# Altium PCB LimeSDR-QPCIe_1v2.PcbDoc (part 10 of 21) (continued)
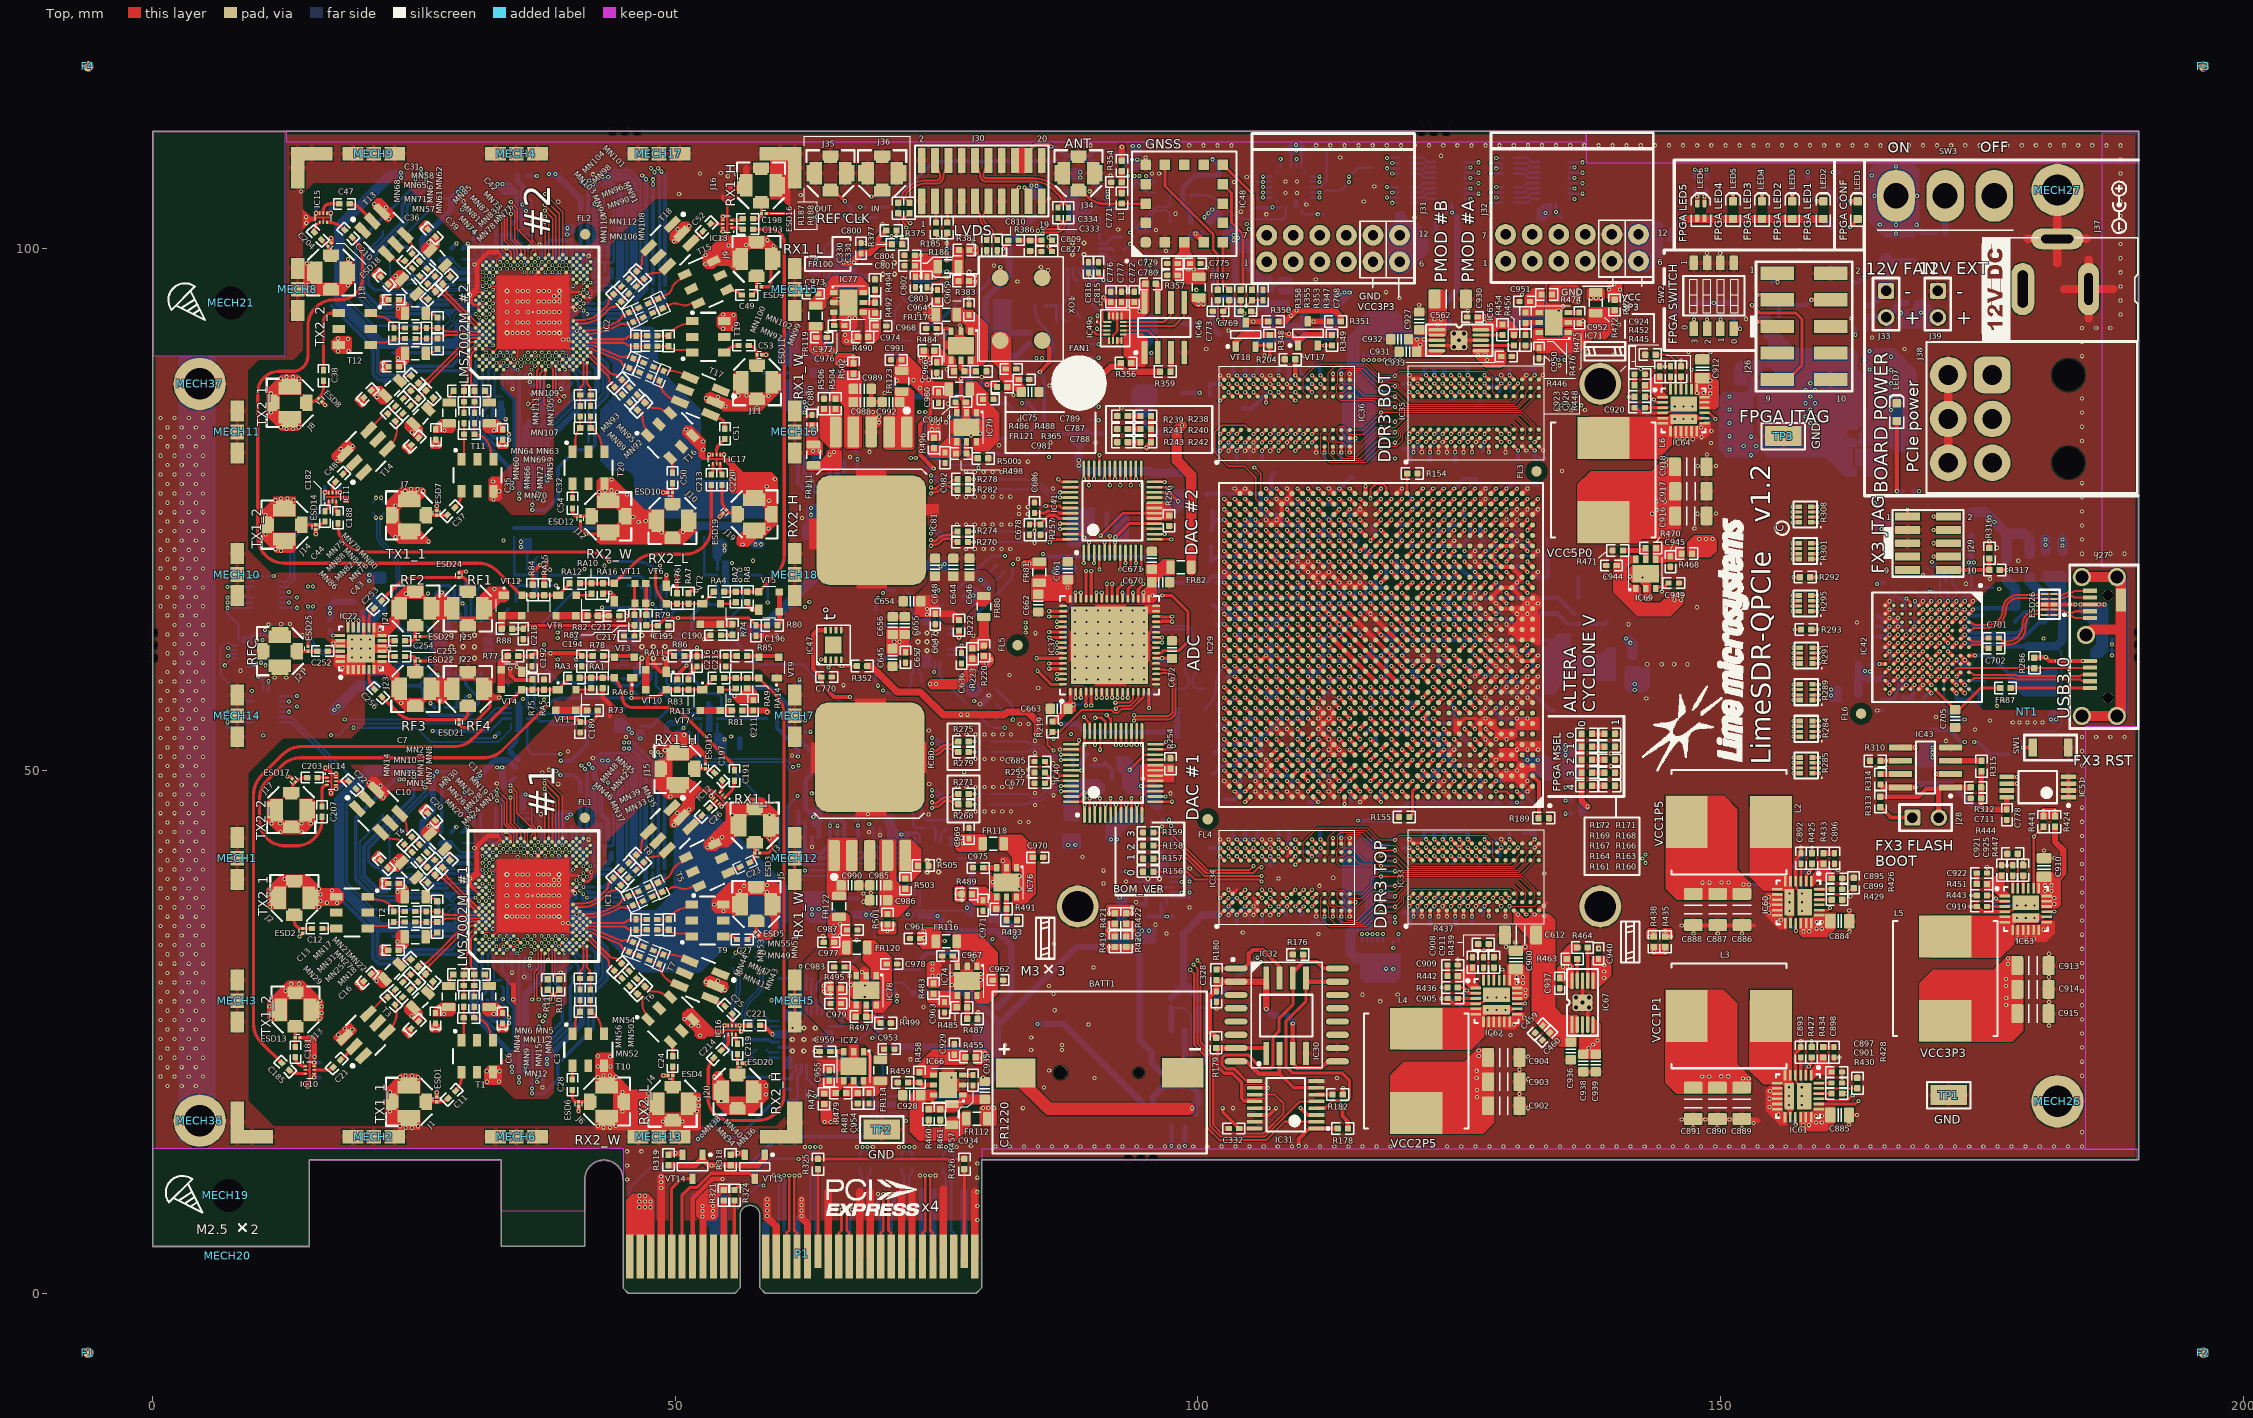
[diagram p0: Top view]
## Nets (pads, with @x,y where several pads share a name; then routed paths per layer and width w, separated by ;. In a path a pad name is that pad's centre, name@x,y a point inside that pad or via, vN(x,y) a via of type N, cw(c..) or ccw(c..) an arc to the next point about the centre after c; other vN are vias at no path point) (continued)
FX3_DQ0: IC29.U12 R284.2 | length 42.7
  Top w0.3: v1(157,53.25) R284.2@157.6,53.25
  Top w0.4: v2(120.525,64) IC29.U12@121.025,63.5
  L3 w0.1: v2(120.525,64) 121.175,63.35 123.68,63.35 124.67,63.35 125.37,62.65 127.025,62.65 127.325,62.35 134.95,62.35 135.3,62 135.85,62 136.2,62.35 137.475,62.35 137.65,62.175 138.175,62.175 138.35,62.35 139.1,62.35 147.95,53.5 156.75,53.5 v1(157,53.25)
FX3_DQ1: IC29.U11 R284.4 | length 42.6
  Top w0.3: v1(157,53.75) R284.4@157.6,53.75
  Top w0.4: v2(121.525,64) IC29.U11@122.025,63.5
  L3 w0.1: v2(121.525,64) 121.875,63.65 124.925,63.65 125.175,63.4 126.625,63.4 127.475,62.55 139.183,62.55 147.983,53.75 148.95,53.75 ccw(c148.95,54.054) 149.254,54.054 149.254,54.451 cw(c149.558,54.451) 149.558,54.755 cw(c149.558,54.451) 149.862,54.451 149.862,53.938 ccw(c150.05,53.938) 150.05,53.75 v1(157,53.75)
FX3_DQ2: IC29.U8 R284.6 | length 42.6
  Top w0.3: v1(157,54.25) R284.6@157.6,54.25
  Top w0.4: v2(124.525,64) IC29.U8@125.025,63.5
  L3 w0.1: v2(124.525,64) 124.975,64 125.35,63.625 128.1,63.625 128.35,63.375 139.158,63.375 146.575,55.958 148.525,55.958 cw(c148.525,55.654) 148.829,55.654 148.829,55.525 ccw(c149.133,55.525) 149.133,55.221 ccw(c149.133,55.525) 149.437,55.525 149.437,55.958 149.437,56.39 cw(c149.741,56.39) 149.741,56.694 cw(c149.741,56.39) 150.045,56.39 150.045,55.958 150.045,55.525 ccw(c150.349,55.525) 150.349,55.221 ccw(c150.349,55.525) 150.653,55.525 150.653,55.654 cw(c150.957,55.654) 150.957,55.958 151.25,55.958 151.692,55.958 153.1,54.55 153.35,54.55 154.101,54.55 cw(c154.101,54.254) 154.397,54.254 ccw(c154.701,54.254) 154.701,53.95 ccw(c154.701,54.254) 155.005,54.254 cw(c155.301,54.254) 155.301,54.55 155.317,54.55 cw(c155.317,54.254) 155.613,54.254 ccw(c155.917,54.254) 155.917,53.95 ccw(c155.917,54.254) 156.221,54.254 cw(c156.517,54.254) 156.517,54.55 156.525,54.55 156.7,54.55 v1(157,54.25)
FX3_DQ3: IC29.U9 R284.8 | length 43.1
  Top w0.3: v1(157,54.75) R284.8@157.6,54.75
  Top w0.4: v2(123.525,64) IC29.U9@124.025,63.5
  L3 w0.1: v2(123.525,64) 123.875,64.35 127.675,64.35 128.45,63.575 140.8,63.575 141.693,63.575 cw(c141.693,63.271) 141.997,63.271 141.997,62.571 ccw(c142.301,62.571) 142.301,62.267 ccw(c142.301,62.571) 142.605,62.571 142.605,63.271 cw(c142.909,63.271) 142.909,63.575 cw(c142.909,63.271) 143.213,63.271 143.213,62.571 ccw(c143.517,62.571) 143.517,62.267 ccw(c143.517,62.571) 143.821,62.571 143.821,63.271 cw(c144.125,63.271) 144.125,63.575 144.358,63.575 153.183,54.75 v1(157,54.75)
FX3_DQ4: IC29.T11 R285.2 | length 42.6
  Top w0.3: v1(157,49.75) R285.2@157.6,49.75
  Top w0.4: v2(121.525,63) IC29.T11@122.025,62.5
  L3 w0.1: v2(121.525,63) 121.525,62.495 122.37,61.65 124.717,61.65 125.196,61.171 125.829,61.171 126.35,60.65 127.075,60.65 127.3,60.425 132.595,60.425 133.627,59.393 138.073,59.393 147.116,50.35 156.4,50.35 v1(157,49.75)
FX3_DQ5: IC29.R10 R285.4 | length 42.9
  Top w0.3: v1(157,50.25) R285.4@157.6,50.25
  Top w0.4: v2(122.525,62) IC29.R10@123.025,61.5
  L3 w0.1: v2(122.525,62) 122.975,62.45 123.884,62.45 124.284,62.05 124.642,62.05 125.242,61.45 126.575,61.45 127.4,60.625 132.1,60.625 133.259,60.625 cw(c133.259,60.321) 133.563,60.321 133.563,59.913 ccw(c133.867,59.913) 133.867,59.609 ccw(c133.867,59.913) 134.171,59.913 134.171,60.321 cw(c134.475,60.321) 134.475,60.625 135.5,60.625 135.625,60.5 135.625,59.875 135.907,59.593 138.156,59.593 147.199,50.55 156.483,50.55 156.783,50.25 v1(157,50.25)
FX3_DQ6: IC29.T10 R285.6 | length 42.6
  Top w0.3: v1(157,50.75) R285.6@157.6,50.75
  Top w0.4: v2(122.525,63) IC29.T10@123.025,62.5
  L3 w0.1: v2(122.525,63) 123.02,63 123.095,62.925 123.105,62.925 123.38,62.65 123.967,62.65 124.367,62.25 124.725,62.25 125.325,61.65 126.825,61.65 127.125,61.35 132.325,61.35 132.629,61.35 132.965,61.35 cw(c132.965,61.078) 133.237,61.078 ccw(c133.541,61.078) 133.541,60.774 ccw(c133.541,61.078) 133.845,61.078 cw(c134.117,61.078) 134.117,61.35 134.232,61.35 cw(c134.232,61.129) 134.453,61.129 ccw(c134.757,61.129) 134.757,60.825 ccw(c134.757,61.129) 135.061,61.129 cw(c135.282,61.129) 135.282,61.35 136.025,61.35 136.125,61.35 136.275,61.2 136.275,60.4 136.882,59.793 138.307,59.793 147.35,50.75 v1(157,50.75)
FX3_DQ7: IC29.T9 R285.8 | length 42.6
  Top w0.3: v1(157,51.25) R285.8@157.6,51.25
  Top w0.4: v2(123.525,63) IC29.T9@124.025,62.5
  L3 w0.1: v2(123.525,63) 123.9,63 124.45,62.45 126.575,62.45 127.459,61.566 139.009,61.566 148.275,52.3 149.3,52.3 ccw(c149.3,52.6) 149.6,52.6 149.6,52.678 cw(c149.9,52.678) 149.9,52.978 cw(c149.9,52.678) 150.2,52.678 150.2,52.3 150.2,51.572 ccw(c150.5,51.572) 150.5,51.272 ccw(c150.5,51.572) 150.8,51.572 150.8,52 cw(c151.1,52) 151.1,52.3 152.425,52.3 156.425,52.3 157,51.725 v1(157,51.25)
FX3_DQ8: IC29.V11 R289.2 | length 42.6
  Top w0.3: v1(157,56.75) R289.2@157.6,56.75
  Top w0.4: v2(121.525,65) IC29.V11@122.025,64.5
  L3 w0.1: v2(121.525,65) 121.958,64.567 143.783,64.567 152.2,56.15 152.575,56.15 ccw(c152.575,56.454) 152.879,56.454 152.879,56.574 cw(c153.183,56.574) 153.183,56.878 cw(c153.183,56.574) 153.487,56.574 153.487,56.454 ccw(c153.791,56.454) 153.791,56.15 ccw(c153.791,56.454) 154.095,56.454 154.095,56.574 cw(c154.399,56.574) 154.399,56.878 cw(c154.399,56.574) 154.703,56.574 154.703,56.454 ccw(c155.007,56.454) 155.007,56.15 155.25,56.15 155.425,56.15 156.025,56.75 v1(157,56.75)
FX3_DQ9: IC29.V9 R289.4 | length 42.6
  Top w0.3: v1(157,57.25) R289.4@157.6,57.25
  Top w0.4: v2(123.525,65) IC29.V9@124.025,64.5
  L3 w0.1: v2(123.525,65) 123.975,65.45 136.7,65.45 136.92,65.45 cw(c136.92,65.146) 137.224,65.146 137.224,65.073 ccw(c137.528,65.073) 137.528,64.769 ccw(c137.528,65.073) 137.832,65.073 137.832,65.146 cw(c138.136,65.146) 138.136,65.45 cw(c138.136,65.146) 138.44,65.146 138.44,65.073 ccw(c138.744,65.073) 138.744,64.769 ccw(c138.744,65.073) 139.048,65.073 139.048,65.146 cw(c139.352,65.146) 139.352,65.45 cw(c139.352,65.146) 139.656,65.146 139.656,65.073 ccw(c139.96,65.073) 139.96,64.769 ccw(c139.96,65.073) 140.264,65.073 140.264,65.146 cw(c140.568,65.146) 140.568,65.45 cw(c140.568,65.146) 140.872,65.146 140.872,65.073 ccw(c141.176,65.073) 141.176,64.769 ccw(c141.176,65.073) 141.48,65.073 141.48,65.146 cw(c141.784,65.146) 141.784,65.45 cw(c141.784,65.146) 142.088,65.146 142.088,65.073 ccw(c142.392,65.073) 142.392,64.769 ccw(c142.392,65.073) 142.696,65.073 142.696,65.146 cw(c143,65.146) 143,65.45 143.375,65.45 151.575,57.25 v1(157,57.25)
FX3_DQ10: IC29.V10 R289.6 | length 42.5
  Top w0.3: v1(157,57.75) R289.6@157.6,57.75
  Top w0.4: v2(122.525,65) IC29.V10@123.025,64.5
  L3 w0.1: v2(122.525,65) 122.525,65.475 122.7,65.65 134.35,65.65 134.533,65.65 134.945,65.65 ccw(c134.945,65.846) 135.141,65.846 cw(c135.445,65.846) 135.445,66.15 cw(c135.445,65.846) 135.749,65.846 ccw(c135.945,65.846) 135.945,65.65 136.161,65.65 ccw(c136.161,65.846) 136.357,65.846 cw(c136.661,65.846) 136.661,66.15 cw(c136.661,65.846) 136.965,65.846 ccw(c137.161,65.846) 137.161,65.65 137.377,65.65 ccw(c137.377,65.846) 137.573,65.846 cw(c137.877,65.846) 137.877,66.15 cw(c137.877,65.846) 138.181,65.846 ccw(c138.377,65.846) 138.377,65.65 138.593,65.65 ccw(c138.593,65.846) 138.789,65.846 cw(c139.093,65.846) 139.093,66.15 cw(c139.093,65.846) 139.397,65.846 ccw(c139.593,65.846) 139.593,65.65 139.809,65.65 ccw(c139.809,65.846) 140.005,65.846 cw(c140.309,65.846) 140.309,66.15 cw(c140.309,65.846) 140.613,65.846 ccw(c140.809,65.846) 140.809,65.65 141.221,65.65 141.525,65.65 143.65,65.65 151.567,57.733 156.983,57.733 v1(157,57.75)
FX3_DQ11: IC29.W10 R289.8 | length 42.6
  Top w0.3: v1(157,58.25) R289.8@157.6,58.25
  Top w0.4: v2(122.525,66) IC29.W10@123.025,65.5
  L3 w0.1: v2(122.525,66) 122.875,66.35 140.675,66.35 141.175,65.85 143.9,65.85 150.925,58.825 151.525,58.825 151.577,58.825 cw(c151.577,58.521) 151.881,58.521 151.881,58.321 ccw(c152.185,58.321) 152.185,58.017 ccw(c152.185,58.321) 152.489,58.321 152.489,58.521 cw(c152.793,58.521) 152.793,58.825 cw(c152.793,58.521) 153.097,58.521 153.097,58.321 ccw(c153.401,58.321) 153.401,58.017 ccw(c153.401,58.321) 153.705,58.321 153.705,58.521 cw(c154.009,58.521) 154.009,58.825 cw(c154.009,58.521) 154.313,58.521 154.313,58.321 ccw(c154.617,58.321) 154.617,58.017 ccw(c154.617,58.321) 154.921,58.321 154.921,58.521 cw(c155.225,58.521) 155.225,58.825 155.45,58.825 156.025,58.25 v1(157,58.25)
FX3_DQ12: IC29.Y10 R291.2 | length 42.4
  Top w0.3: v1(157,60.25) R291.2@157.6,60.25
  Top w0.4: IC29.Y10@123.025,66.5 v2(123.525,67)
  L3 w0.1: v2(123.525,67) 123.975,66.55 127.95,66.55 127.958,66.55 ccw(c127.958,66.846) 128.254,66.846 cw(c128.558,66.846) 128.558,67.15 cw(c128.558,66.846) 128.862,66.846 ccw(c129.158,66.846) 129.158,66.55 129.47,66.55 129.525,66.55 129.85,66.55 129.858,66.55 ccw(c129.858,66.846) 130.154,66.846 cw(c130.458,66.846) 130.458,67.15 cw(c130.458,66.846) 130.762,66.846 ccw(c131.058,66.846) 131.058,66.55 131.37,66.55 131.6,66.55 132.025,66.55 132.033,66.55 ccw(c132.033,66.846) 132.329,66.846 cw(c132.633,66.846) 132.633,67.15 cw(c132.633,66.846) 132.937,66.846 ccw(c133.233,66.846) 133.233,66.55 133.249,66.55 ccw(c133.249,66.846) 133.545,66.846 cw(c133.849,66.846) 133.849,67.15 cw(c133.849,66.846) 134.153,66.846 ccw(c134.449,66.846) 134.449,66.55 134.465,66.55 ccw(c134.465,66.846) 134.761,66.846 cw(c135.065,66.846) 135.065,67.15 cw(c135.065,66.846) 135.369,66.846 ccw(c135.665,66.846) 135.665,66.55 135.681,66.55 ccw(c135.681,66.846) 135.977,66.846 cw(c136.281,66.846) 136.281,67.15 cw(c136.281,66.846) 136.585,66.846 ccw(c136.881,66.846) 136.881,66.55 137.193,66.55 137.4,66.55 142.55,66.55 142.558,66.55 ccw(c142.558,66.846) 142.854,66.846 cw(c143.158,66.846) 143.158,67.15 cw(c143.158,66.846) 143.462,66.846 ccw(c143.758,66.846) 143.758,66.55 144.05,66.55 144.087,66.513 150.05,60.55 156.7,60.55 v1(157,60.25)
FX3_DQ13: IC29.Y11 R291.4 | length 42.4
  Top w0.3: v1(157,60.75) R291.4@157.6,60.75
  Top w0.4: IC29.Y11@122.025,66.5 v2(122.525,67)
  L3 w0.1: v2(122.525,67) 122.875,67.35 124.38,67.35 135.6,67.35 136.653,67.35 cw(c136.653,67.054) 136.949,67.054 ccw(c137.253,67.054) 137.253,66.75 ccw(c137.253,67.054) 137.557,67.054 cw(c137.853,67.054) 137.853,67.35 137.869,67.35 cw(c137.869,67.054) 138.165,67.054 ccw(c138.469,67.054) 138.469,66.75 ccw(c138.469,67.054) 138.773,67.054 cw(c139.069,67.054) 139.069,67.35 139.085,67.35 cw(c139.085,67.054) 139.381,67.054 ccw(c139.685,67.054) 139.685,66.75 ccw(c139.685,67.054) 139.989,67.054 cw(c140.285,67.054) 140.285,67.35 140.301,67.35 cw(c140.301,67.054) 140.597,67.054 ccw(c140.901,67.054) 140.901,66.75 ccw(c140.901,67.054) 141.205,67.054 cw(c141.501,67.054) 141.501,67.35 141.517,67.35 cw(c141.517,67.054) 141.813,67.054 ccw(c142.117,67.054) 142.117,66.75 ccw(c142.117,67.054) 142.421,67.054 cw(c142.717,67.054) 142.717,67.35 142.725,67.35 143.6,67.35 150.2,60.75 155.025,60.75 155.35,61.075 155.875,61.075 156.2,60.75 v1(157,60.75)
FX3_DQ14: IC29.AA11 R291.6 | length 42.6
  Top w0.3: v1(157,61.25) R291.6@157.6,61.25
  Top w0.4: IC29.AA11@122.025,67.5 v2(122.525,68)
  L3 w0.1: v2(122.525,68) 122.975,67.55 144.375,67.55 144.475,67.55 ccw(c144.475,67.754) 144.679,67.754 cw(c144.983,67.754) 144.983,68.058 cw(c144.983,67.754) 145.287,67.754 145.287,67.55 145.287,67.383 ccw(c145.591,67.383) 145.591,67.079 ccw(c145.591,67.383) 145.895,67.383 145.895,67.55 145.895,67.717 cw(c146.199,67.717) 146.199,68.021 cw(c146.199,67.717) 146.503,67.717 146.503,67.55 146.503,67.383 ccw(c146.807,67.383) 146.807,67.079 ccw(c146.807,67.383) 147.111,67.383 147.111,67.55 147.111,67.717 cw(c147.415,67.717) 147.415,68.021 cw(c147.415,67.717) 147.719,67.717 147.719,67.55 147.719,67.383 ccw(c148.023,67.383) 148.023,67.079 ccw(c148.023,67.383) 148.327,67.383 ; 148.327,67.346 cw(c148.531,67.346) 148.531,67.55 148.85,67.55 149.092,67.55 155.092,61.55 156.7,61.55 v1(157,61.25) ; 148.327,67.352 148.327,67.377
FX3_DQ15: IC29.AA8 R291.8 | length 42.5
  Top w0.3: v1(157,61.75) R291.8@157.6,61.75
  Top w0.4: IC29.AA8@125.025,67.5 v2(125.525,68)
  L3 w0.1: v2(125.525,68) 125.875,68.35 131.525,68.35 132.148,68.35 cw(c132.148,68.054) 132.444,68.054 ccw(c132.748,68.054) 132.748,67.75 ccw(c132.748,68.054) 133.052,68.054 cw(c133.348,68.054) 133.348,68.35 133.364,68.35 cw(c133.364,68.054) 133.66,68.054 ccw(c133.964,68.054) 133.964,67.75 ccw(c133.964,68.054) 134.268,68.054 cw(c134.564,68.054) 134.564,68.35 134.58,68.35 cw(c134.58,68.054) 134.876,68.054 ccw(c135.18,68.054) 135.18,67.75 ccw(c135.18,68.054) 135.484,68.054 cw(c135.78,68.054) 135.78,68.35 135.796,68.35 cw(c135.796,68.054) 136.092,68.054 ccw(c136.396,68.054) 136.396,67.75 ccw(c136.396,68.054) 136.7,68.054 cw(c136.996,68.054) 136.996,68.35 137.012,68.35 cw(c137.012,68.054) 137.308,68.054 ccw(c137.612,68.054) 137.612,67.75 ccw(c137.612,68.054) 137.916,68.054 cw(c138.212,68.054) 138.212,68.35 138.228,68.35 cw(c138.228,68.054) 138.524,68.054 ccw(c138.828,68.054) 138.828,67.75 ccw(c138.828,68.054) 139.132,68.054 cw(c139.428,68.054) 139.428,68.35 139.444,68.35 cw(c139.444,68.054) 139.74,68.054 ccw(c140.044,68.054) 140.044,67.75 ccw(c140.044,68.054) 140.348,68.054 cw(c140.644,68.054) 140.644,68.35 140.66,68.35 cw(c140.66,68.054) 140.956,68.054 ccw(c141.26,68.054) 141.26,67.75 ccw(c141.26,68.054) 141.564,68.054 cw(c141.86,68.054) 141.86,68.35 141.876,68.35 cw(c141.876,68.054) 142.172,68.054 ccw(c142.476,68.054) 142.476,67.75 ccw(c142.476,68.054) 142.78,68.054 cw(c143.076,68.054) 143.076,68.35 143.092,68.35 cw(c143.092,68.054) 143.388,68.054 ccw(c143.692,68.054) 143.692,67.75 ccw(c143.692,68.054) 143.996,68.054 cw(c144.292,68.054) 144.292,68.35 144.3,68.35 147.525,68.35 148.109,67.766 149.159,67.766 155.175,61.75 v1(157,61.75)
FX3_FPGA_GPIO0: IC29.AA10 IC42.E1 | length 77.8
  Top w0.4: IC29.AA10@123.025,67.5 v2(123.525,68) ; IC42.E1@170.575,65.8 v2(170.975,66.2)
  L3 w0.1: v2(123.525,68) 123.175,68.35 122.38,68.35 121.875,67.845 121.875,66.845 120.175,65.145 120.175,63.845 121.175,62.845 121.175,61.855 121.38,61.65 122.087,61.65 122.287,61.45 124.594,61.45 125.073,60.971 125.746,60.971 126.267,60.45 126.58,60.45 127.38,59.65 133,59.65 133.457,59.193 137.99,59.193 147.033,50.15 156.025,50.15 156.775,49.4 163.209,49.4 169.775,55.966 169.775,62.375 170,62.6 170.35,62.6 170.625,62.875 170.625,65.85 v2(170.975,66.2)
FX3_FPGA_GPIO1: IC29.AB9 IC42.E5 | length 76
  Top w0.4: v2(123.525,69) IC29.AB9@124.025,68.5 ; IC42.E5@170.575,62.6 v2(170.975,63)
  L3 w0.1: v2(123.525,69) 123.075,68.55 121.58,68.55 121.175,68.145 121.175,67.145 119.975,65.945 119.975,63.055 120.975,62.055 120.975,61.772 121.297,61.45 122.004,61.45 122.204,61.25 122.775,61.25 123.375,60.65 125.784,60.65 126.175,60.259 126.175,59.855 126.38,59.65 127.075,59.65 127.275,59.45 132.917,59.45 133.375,58.993 137.907,58.993 146.95,49.95 155.942,49.95 156.692,49.2 163.292,49.2 170.55,56.458 170.55,62.3 170.975,62.725 v2(170.975,63)
FX3_FPGA_GPIO2: IC29.AG8 IC42.E4 | length 61.3
  Top w0.4: IC29.AG8@125.025,73.5 v2(125.525,74) ; IC42.E4@170.575,63.4 v2(170.975,63.8)
  L3 w0.1: v2(125.525,74) 126.075,74.55 126.075,75.1 126.375,75.4 126.775,75.4 127,75.625 127.655,75.625 130.28,78.25 162.65,78.25 165.175,75.725 165.175,74.741 169.091,70.825 170.533,70.825 170.725,70.633 170.725,69.191 172.325,67.591 172.325,67.05 172.975,66.4 172.975,66 172.775,65.8 172.48,65.8 172.125,65.445 172.125,64.455 171.92,64.25 171.425,64.25 v2(170.975,63.8)
FX3_FPGA_GPIO3: IC29.AK3 IC42.D1 R297.2 | length 49.5
  Top w0.4: IC29.AK3@130.025,76.5 v2(130.525,77) ; IC42.D1@171.375,65.8 v2(171.775,66.2)
  L3 w0.1: v2(130.525,77) 131.375,77.85 161.5,77.85 171.775,67.575 v2(171.775,66.2)
  Bottom w0.4: R297.2@171.55,67.15 171.775,66.925 v2(171.775,66.2)
FX3_FPGA_GPIO4: IC29.AJ4 IC42.D2 R299.2 | length 53.3
  Top w0.4: IC29.AJ4@129.025,75.5 v2(129.525,76) ; IC42.D2@171.375,65 v2(171.775,65.4)
  L3 w0.1: v2(129.525,76) 129.875,76.35 129.875,77.562 130.363,78.05 162.35,78.05 v1(164.8,75.6) 164.8,74.833 172.125,67.508 172.125,66.05 171.775,65.7 v2(171.775,65.4)
  Bottom w0.4: v1(164.8,75.6) 164.95,75.45 R299.2@164.95,74.842
FX3_FPGA_GPIO5: IC29.AJ3 IC42.D3 R300.2 | length 56
  Top w0.4: IC29.AJ3@130.025,75.5 v2(130.525,76) ; IC42.D3@171.375,64.2 v2(171.775,64.6)
  L3 w0.1: v2(130.525,76) 131.03,76 131.38,76.35 133.087,76.35 134.387,77.65 161.417,77.65 171.425,67.642 171.425,64.95 v2(171.775,64.6)
  Bottom w0.2: R300.2@169.825,69.325 170.375,68.775 170.725,68.775 171.025,68.475 171.025,66.775 171.375,66.425 171.375,65 v2(171.775,64.6)
  Bottom w0.4: v2(171.775,64.6) v2@171.825,64.6
FX3_GND: C706.2 ESD26.3 ESD26.8 FR88.1 NT1.1 | length 3.9
  Top w0.4: v1(180.275,65.9) ESD26.8@181.026,65.9 ; ESD26.3@181.9,65.9 v1(183.962,65.9)
  Bottom w0.4: v1(187.45,61) FR88.1@187.45,61.55 ; v1(187.45,62.075) C706.2@187.45,62.6
  other v1: 183.45,65.9
FX3_I2C_SCL: IC42.D9 R287.2 | length 3.6
  Top w0.4: IC42.D9@171.375,59.4 v2(171.775,59.8)
  Bottom w0.2: R287.2@171.475,56.95 171.375,57.05 171.375,59.4 v2(171.775,59.8)
FX3_I2C_SDA: IC42.D10 R288.2 | length 4.4
  Top w0.4: IC42.D10@171.375,58.6 v2(171.775,59)
  Bottom w0.2: v2(171.775,59) 172.175,58.6 175.325,58.6 R288.2@175.325,58.45
FX3_JTAG_TCK: IC42.F6 J29.4 | length 13.6
  Top w0.4: IC42.F6@169.775,61.8 v2(170.175,62.2) ; v1(170.375,73.025) J29.4@171.8,73.025
  L6 w0.1: v2(170.175,62.2) 170.175,62.475 169.775,62.875 169.775,66.5 169.5,66.775 169.5,68.15 169.725,68.375 169.725,69.1 169.55,69.275 169.55,72.2 v1(170.375,73.025)
FX3_JTAG_TDI: IC42.E7 J29.8 | length 11.3
  Top w0.4: v1(170.375,70.475) J29.8@171.8,70.475 ; IC42.E7@170.575,61 v2(170.975,61.4)
  L6 w0.1: v1(170.375,70.475) 170.575,70.275 170.575,61.8 v2(170.975,61.4)
FX3_JTAG_TDO: IC42.C10 J29.6 | length 16.7
  Top w0.4: v1(170.375,71.75) J29.6@171.8,71.75 ; IC42.C10@172.175,58.6 v2(172.575,58.2)
  L6 w0.1: v1(170.375,71.75) 171.425,70.7 171.425,58.855 172.08,58.2 v2(172.575,58.2)
FX3_JTAG_TMS: IC42.E8 J29.2 | length 17.2
  Top w0.4: v1(170.375,74.3) J29.2@171.8,74.3 ; IC42.E8@170.575,60.2 v2(170.975,60.6)
  L6 w0.1: v1(170.375,74.3) 169.025,72.95 169.025,62.855 169.23,62.65 169.42,62.65 169.725,62.345 169.725,62.1 170.975,60.85 v2(170.975,60.6)
FX3_JTAG_TRST: IC42.B11 R317.1 | length 14.9
  Top w0.4: IC42.B11@172.975,57.8 v2(173.375,57.4) ; R317.1@176.725,69.2 v1(177.4,69.2)
  L8 w0.1: v2(173.375,57.4) 173.775,57.4 175.475,59.1 175.475,67.275 v1(177.4,69.2)
FX3_PCLK: IC29.AB16 R292.2 | length 43.1
  Top w0.3: v1(157,68.5) R292.2@157.6,68.5
  Top w0.4: IC29.AB16@117.025,68.5 v2(117.525,69)
  L3 w0.1: v2(117.525,69) 118.03,69 119.43,70.4 120.9,70.4 121.16,70.66 121.69,70.66 122.58,71.55 125.48,71.55 126.414,70.616 151.791,70.616 153.908,68.5 v1(157,68.5)
FX3_RST: C712.1 IC42.C5 R311.2 R316.1 SW1.2 | length 28.9
  Top w0.4: v2(171.775,63) IC42.C5@172.175,62.6 ; R316.1@175.725,71.3 v1(175.725,71.975) ; v1(178.95,52.2) SW1.2@179.875,52.2
  L6 w0.1: v1(175.725,71.975) 175.25,71.975 172.175,68.9 172.175,63.625 171.775,63.225 v2(171.775,63) 172.2,62.575 173.775,62.575 175.025,61.325 175.025,56.5 178.95,52.575 v1(178.95,52.2)
  Bottom w0.4: C712.1@178.95,51.6 v1(178.95,52.2) R311.2@178.95,52.8
FX3_SPI_AS_SS: IC31.14 IC42.F2 | length 93.2
  Top w0.35: IC31.14@105.45,17.05 106.825,17.05 v1(107.475,17.7)
  Top w0.4: IC42.F2@169.775,65 v2(170.175,65.4)
  L8 w0.1: v1(107.475,17.7) 107.925,18.15 110.275,18.15 125.95,33.825 126.608,33.825 129.425,36.642 129.425,39.047 135.853,45.475 157.145,45.475 169.825,58.155 169.825,58.345 170.13,58.65 170.32,58.65 170.625,58.955 170.625,59.145 170.93,59.45 171.12,59.45 171.425,59.755 171.425,59.945 171.73,60.25 171.92,60.25 172.125,60.455 172.125,63.925 172.125,63.945 171.92,64.15 171.575,64.15 171.4,64.325 171.4,64.7 171.1,65 170.575,65 v2(170.175,65.4)
FX3_SPI_FLASH_SS: IC42.C1 J28.1 R313.1 | length 34.8
  Top w0.4: R313.1@165.3,46.5 166.3,45.5 J28.1@168.355,45.5 ; IC42.C1@172.175,65.8 v2(172.575,66.2)
  L6 w0.1: J28.1@168.355,45.5 169.38,46.525 173.8,46.525 179.3,52.025 179.3,52.525 175.225,56.6 175.225,61.408 173.825,62.808 173.825,63.1 173.55,63.375 173.225,63.375 172.925,63.675 172.925,65.85 v2(172.575,66.2)
FX3_SPI_FPGA_SS: IC29.AG22 IC42.F5 | length 83.3
  Top w0.4: v2(110.525,74) IC29.AG22@111.025,73.5 ; IC42.F5@169.775,62.6 v2(170.175,63)
  L3 w0.1: v2(110.525,74) 110.175,73.65 110.175,71.855 115.48,66.55 118.57,66.55 123.37,71.35 125.2,71.35 v2@125.55,71
  L10 w0.1: v2(125.525,71) 127.175,72.65 127.175,73.145 128.175,74.145 128.38,74.35 128.67,74.35 128.875,74.145 128.875,62.155 130.38,60.65 155.1,60.65 157.05,62.6 169.775,62.6 v2(170.175,63)
FX3_SPI_MISO: IC29.M21 IC31.5 IC42.C2 IC43.2 R303.1 | length 154.4
  Top w0.2: v1(99.575,31.45) 99.95,31.075 99.95,23.9 101.175,22.675 101.175,15.975 102.175,14.975 106.4,14.975 109.775,18.35 IC31.5@111.35,18.35
  Top w0.4: v2(111.525,59) IC29.M21@112.025,58.5 ; IC42.C2@172.175,65 v2(172.575,65.4)
  Top w0.55: v1(170.635,49.665) IC43.2@172.025,49.665
  L3 w0.1: v2(111.525,59) 111.875,58.65 119.097,58.65 123.675,58.65 124.45,59.425 125.757,59.425 125.93,59.252 125.93,58.807 126.562,58.175 126.8,58.175 127.325,57.65 137.775,57.65 146.85,48.575 167.875,48.575 168.35,49.05 170.02,49.05 v1(170.635,49.665) 172.123,51.152 172.123,54.527 173,55.405 173,60.7 172.35,61.35 172.35,61.725 172.175,61.9 172.175,63.6 172.925,64.35 172.925,65.05 v2(172.575,65.4)
  L10 w0.1: v1(99.575,31.45) 99.575,31.97 99.925,32.32 99.925,47.314 101.355,48.744 101.355,51.608 102.175,52.428 102.175,53.145 102.58,53.55 109.732,53.55 110.975,54.793 110.975,55.238 111.175,55.438 111.175,58.65 v2(111.525,59)
  Bottom w0.2: R303.1@172.15,69.25 172.15,67.875 172.875,67.15 172.175,66.45 172.175,65.8 v2(172.575,65.4)
FX3_SPI_MOSI: IC29.N20 IC31.2 IC42.D5 IC43.5 | length 142.7
  Top w0.2: v1(99.275,30.95) 99.65,30.575 99.65,23.776 100.875,22.551 100.875,15.85 102.05,14.675 106.575,14.675 108.3,16.4 IC31.2@111.35,16.4
  Top w0.4: v2(112.525,60) IC29.N20@113.025,59.5 ; IC42.D5@171.375,62.6 v2(171.775,62.2)
  Top w0.55: IC43.5@167.225,52.205 v1(168.615,52.205)
  L3 w0.1: v2(112.525,60) 113.05,59.475 124.05,59.475 124.2,59.625 125.839,59.625 126.13,59.334 126.13,58.89 126.645,58.375 132.842,58.375 133.367,57.85 137.858,57.85 146.908,48.8 165.21,48.8 v1(168.615,52.205) 172.15,55.74 172.15,61.55 171.775,61.925 v2(171.775,62.2)
  L10 w0.1: v1(99.275,30.95) 99.625,30.95 100.325,31.65 100.325,47.149 101.755,48.579 101.755,50.725 103.58,52.55 109.732,52.55 109.97,52.788 109.97,53.223 111.297,54.55 111.57,54.55 112.1,55.08 112.1,59.575 v2(112.525,60)
FX3_SPI_SCLK: IC29.P20 IC31.11 IC42.D4 IC43.6 R310.2 | length 144.4
  Top w0.2: v1(99.95,31.85) 100.25,31.55 100.25,24.024 101.475,22.799 101.475,16.1 102.3,15.275 106.276,15.275 108.2,17.199 108.2,18.15 107.35,19 IC31.11@105.45,19
  Top w0.4: v2(112.525,61) IC29.P20@113.025,60.5 ; IC42.D4@171.375,63.4 v2(171.775,63.8)
  Top w0.55: R310.2@165.31,50.935 v1(165.825,50.935) IC43.6@167.225,50.935
  L3 w0.1: v2(112.525,61) 113.175,60.35 125.77,60.35 125.975,60.145 125.975,59.772 126.297,59.45 126.825,59.45 127.175,59.1 127.175,58.855 127.455,58.575 132.925,58.575 133.45,58.05 137.941,58.05 146.991,49 163.4,49 165.335,50.935 v1(165.825,50.935) 165.825,51.375 170.75,56.3 170.75,58.275 171.4,58.925 171.4,63.425 v2(171.775,63.8)
  L10 w0.1: v1(99.95,31.85) 100.125,32.025 100.125,47.231 101.555,48.661 101.555,51.525 103.38,53.35 109.814,53.35 111.175,54.711 111.175,55.155 111.9,55.88 111.9,60.375 v2(112.525,61)
FX3_USB_D_N: IC42.A10 J27.2 | length 11.7
  Top w0.2: IC42.A10@173.775,58.6 ccw(c173.775,59.143) 174.159,58.759 cw(c174.379,58.54) 174.379,58.85 178.054,58.85 178.356,58.725 184.399,58.725 ccw(c184.821,59.147) 184.821,58.55 J27.2@185.349,58.55
FX3_USB_D_P: IC42.A9 J27.3 | length 11.7
  Top w0.2: IC42.A9@173.775,59.4 cw(c173.775,58.857) 174.159,59.241 ccw(c174.379,59.46) 174.379,59.15 178.202,59.15 178.504,59.025 184.399,59.025 cw(c184.821,58.603) 184.821,59.2 J27.3@185.349,59.2
FX3_USB_OTG_ID: IC42.C9 J27.4 R286.2 | length 13.4
  Top w0.2: IC42.C9@172.175,59.4 172.575,59.8 185.349,59.8 J27.4@185.349,59.85
FX3_USB_SSRX_N: ESD26.4 ESD26.7 IC42.A4 J27.9 | length 13.9
  Top w0.2: IC42.A4@173.775,63.4 ccw(c173.775,63.943) 174.159,63.559 cw(c174.379,63.34) 174.379,63.65 175.6,63.65 ccw(c175.6,65.35) 176.34,63.819 ccw(c175.6,65.35) 177.3,65.35 cw(c178.45,65.35) 178.45,66.5 180.45,66.5 ccw(c180.691,66.741) 180.691,66.4 ESD26.7@181.026,66.4 ; 181.464,66.4 ESD26.7@181.026,66.4 ; J27.9@185.349,66.55 184.071,66.55 cw(c184.071,67.147) 183.649,66.725 183.287,66.725 182.762,66.5 182.399,66.5 cw(c182.158,66.741) 182.158,66.4 ESD26.4@181.9,66.4 ESD26.7@181.026,66.4
FX3_USB_SSRX_P: ESD26.5 ESD26.6 IC42.A3 J27.10 | length 13.9
  Top w0.2: IC42.A3@173.775,64.2 cw(c173.775,63.657) 174.159,64.041 ccw(c174.379,64.26) 174.379,63.95 175.6,63.95 ccw(c175.6,65.35) 176.223,64.096 ccw(c175.6,65.35) 177,65.35 cw(c178.45,65.35) 178.45,66.8 180.45,66.8 cw(c180.691,66.559) 180.691,66.9 ESD26.6@181.026,66.9 ; 181.464,66.9 ESD26.6@181.026,66.9 ; J27.10@185.349,67.2 184.071,67.2 ccw(c184.071,66.603) 183.649,67.025 183.224,67.025 182.699,66.8 182.399,66.8 ccw(c182.158,66.559) 182.158,66.9 ESD26.6@181.026,66.9
FX3_USB_SSTX_IC_N: C702.2 IC42.A6 | length 2.1
  Top w0.2: IC42.A6@173.775,61.8 173.875,61.9 cw(c174.237,61.538) 174.237,62.05 174.45,62.05 174.805,62.05 cw(c174.805,61.821) 174.914,62.023 cw(c174.805,61.821) 174.967,61.983 ccw(c175.65,62.666) 175.274,61.776 ccw(c175.65,62.666) C702.2@175.65,61.7
FX3_USB_SSTX_IC_P: C701.1 IC42.A5 | length 2.1
  Top w0.2: IC42.A5@173.775,62.6 173.875,62.5 ccw(c174.237,62.862) 174.237,62.35 174.45,62.35 174.805,62.35 ccw(c174.805,62.579) 174.914,62.377 ccw(c174.805,62.579) 174.967,62.417 cw(c175.65,61.734) 175.274,62.624 cw(c175.65,61.734) C701.1@175.65,62.7
FX3_USB_SSTX_N: C702.1 ESD26.1 ESD26.10 J27.6 | length 10.7
  Top w0.2: C702.1@176.65,61.7 176.75,61.8 cw(c177.354,61.196) 177.354,62.05 177.45,62.05 ; 177.478,62.05 ccw(c177.478,63.772) 179.2,63.772 179.2,63.95 cw(c180.25,63.95) 180.25,65 180.45,65 ccw(c180.691,65.241) 180.691,64.9 ESD26.10@181.026,64.9 ESD26.1@181.9,64.9 182.158,64.9 ccw(c182.158,65.241) 182.399,65 182.699,65 183.224,64.775 183.649,64.775 ccw(c184.071,65.197) 184.071,64.6 J27.6@185.349,64.6